# Altium PCB Board.PcbDoc (part 2 of 7)
Units mil, origin at the board's own origin, x right, y up, seen from the top; angles counter-clockwise.
Board outline 7091.76 x 4731.03 mil, 4 copper layers (Top Layer, GND, VCC, Bottom Layer); 297 components, 197 nets, 1031 pads, 468 vias.
Unrouted connection lines stored in the file: 1.
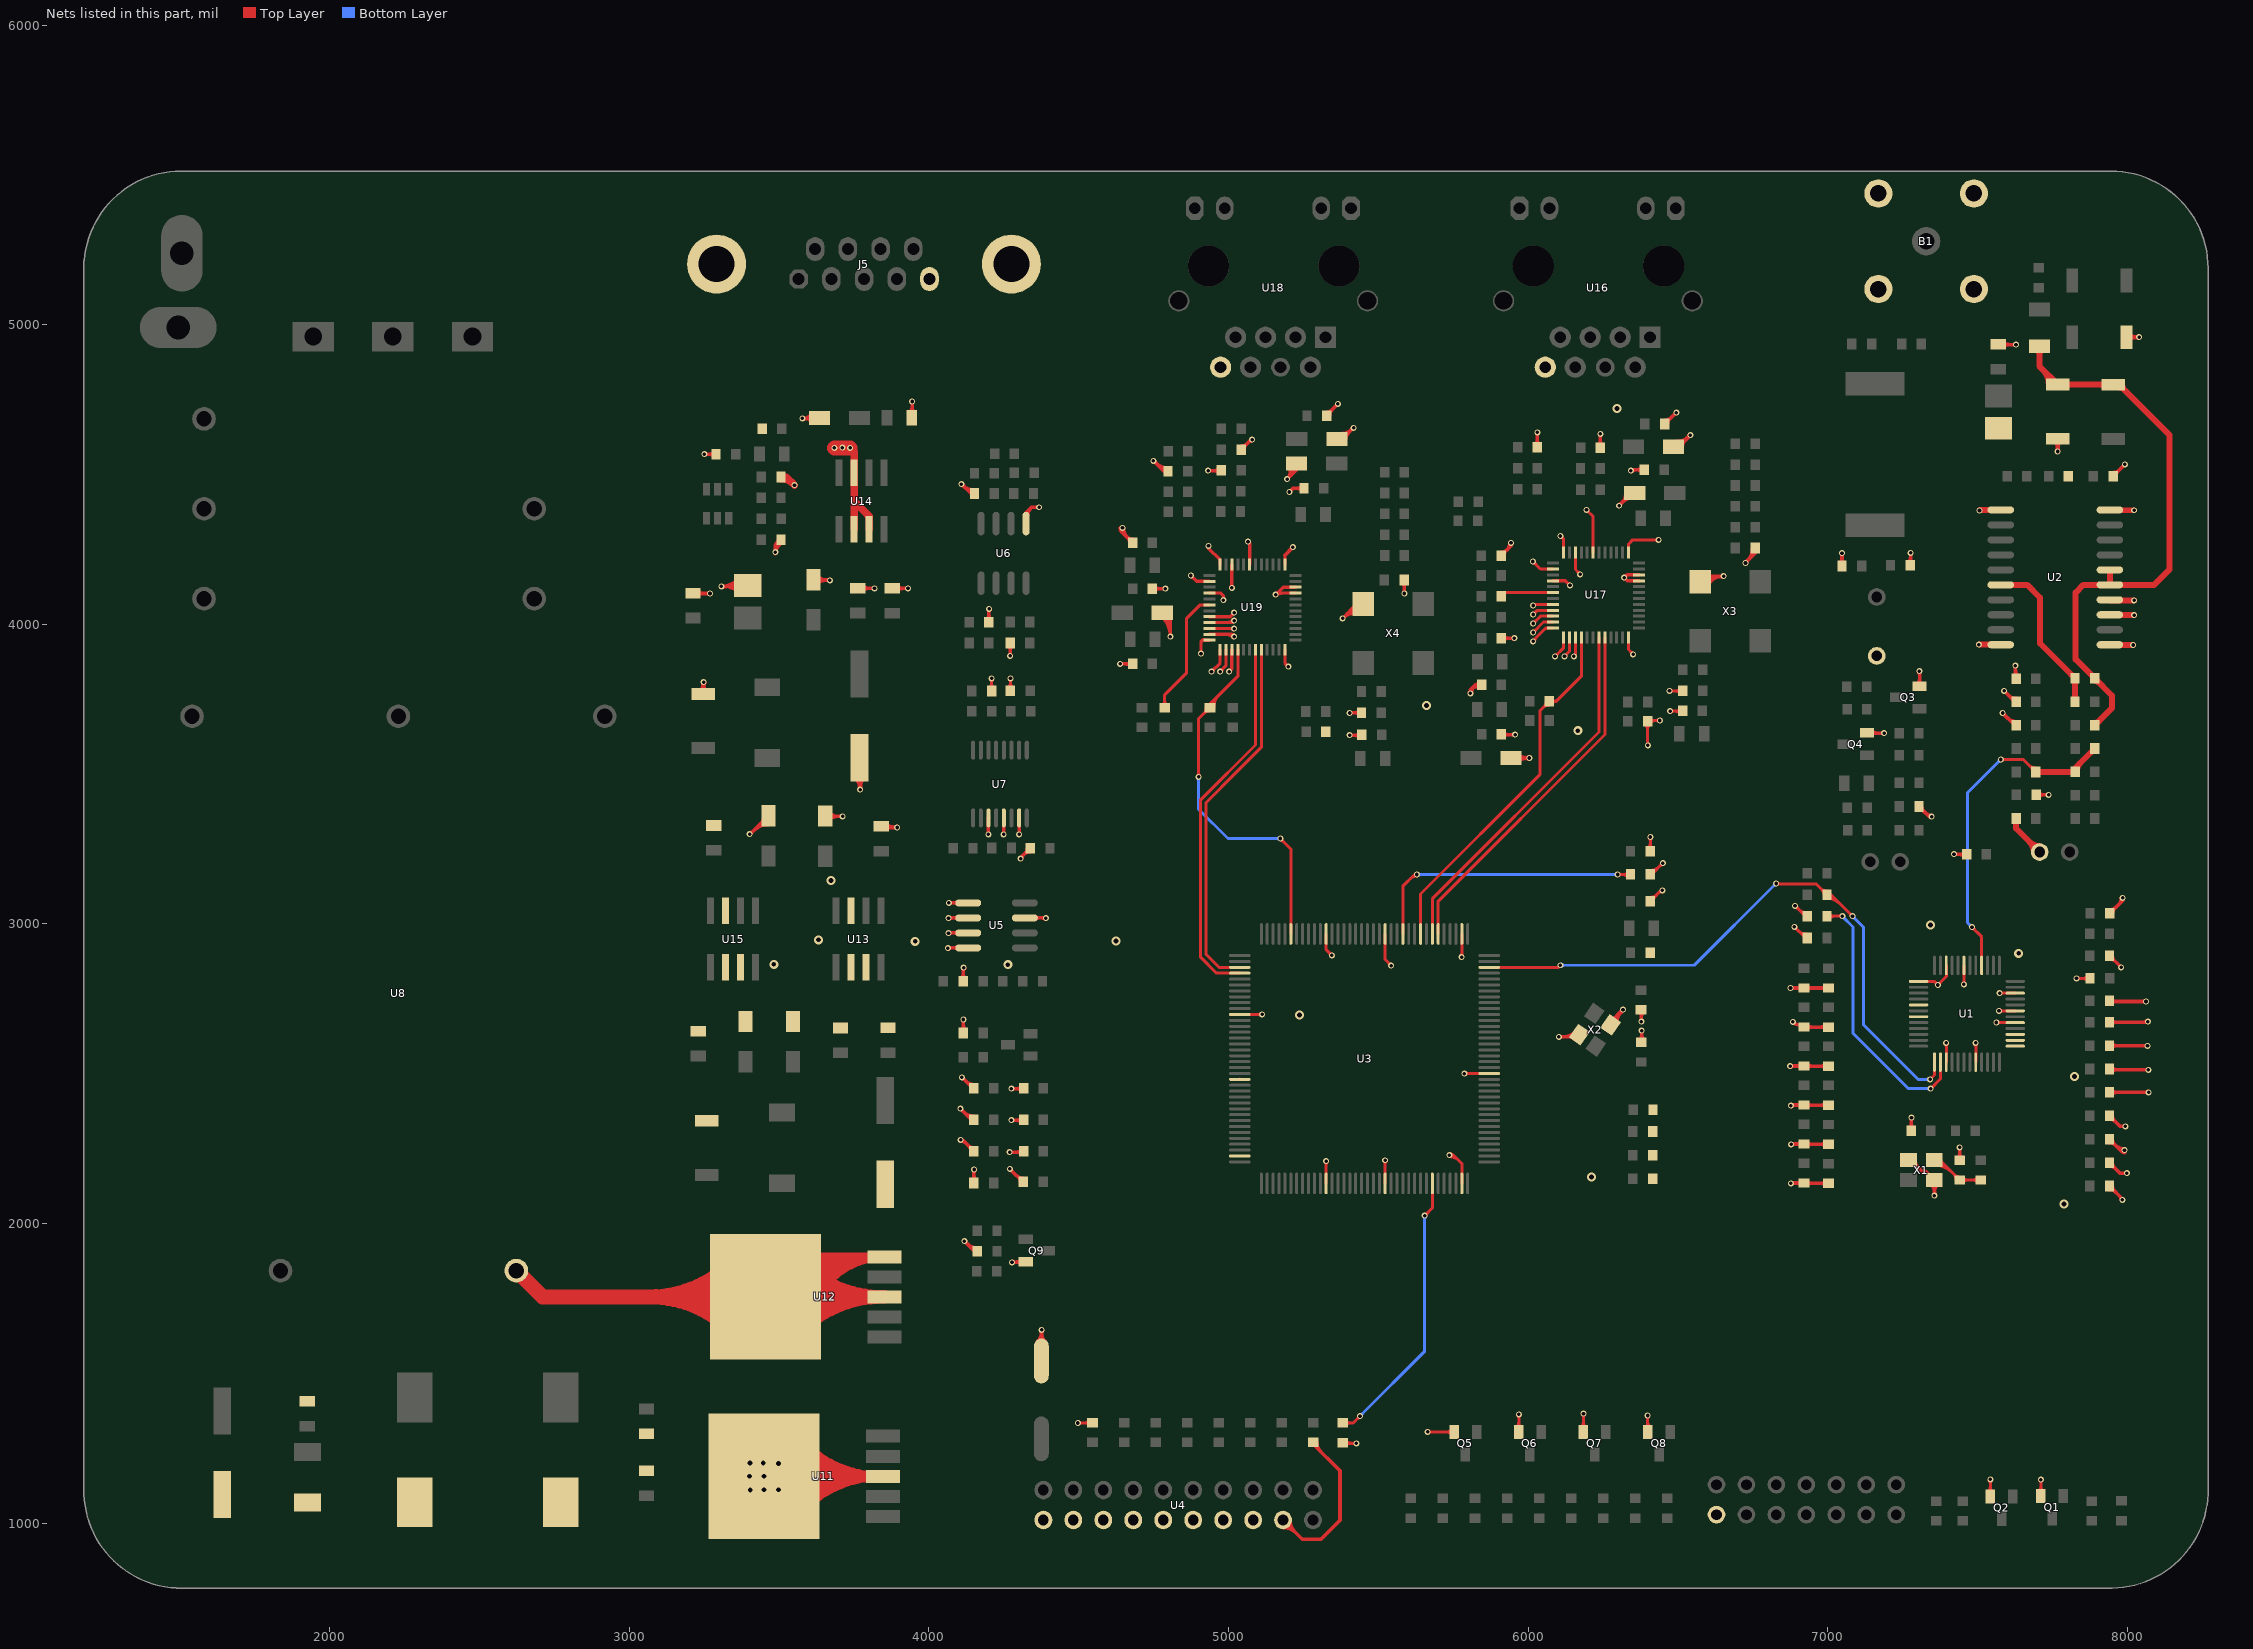
[diagram p4: the nets of this part, all layers, seen from the top]

## Via types
v1: diameter 20, hole 12, Top Layer to Bottom Layer, 399 vias
v2: diameter 30, hole 16, Top Layer to Bottom Layer, 68 vias
v3: diameter 25, hole 15, Top Layer to Bottom Layer, 1 vias

## Nets (pads, with @x,y where several pads share a name; then routed paths per layer and width w, separated by ;. In a path a pad name is that pad's centre, name@x,y a point inside that pad or via, vN(x,y) a via of type N, cw(c..) or ccw(c..) an arc to the next point about the centre after c; other vN are vias at no path point) (continued)
BOOT0: R32.2 U3.138 | length 1060.8
  Top Layer w10: R32.2@5381,1334 5416,1334 v1(5439,1357) ; R32.2@5390.57,1326.4 cw(c5408.92,1308.05) 5408.92,1334 cw(c5408.92,1359.95) R32.2@5390.57,1341.6 ; v1@5434,1357 cw(c5421.93,1357) 5430.46,1348.46 cw(c5439,1339.93) v1@5439,1352 ; v1(5655,2026) 5680.38,2051.38 U3.138@5680.38,2133.66 ; v1@5655,2031 ccw(c5655,2043.07) 5663.54,2034.54 ccw(c5672.07,2026) v1@5660,2026
  Bottom Layer w10: v1(5439,1357) 5655,1573 v1(5655,2026) ; v1@5439,1362 ccw(c5439,1374.07) 5447.54,1365.54 ccw(c5456.07,1357) v1@5444,1357 ; v1@5651.46,2022.46 cw(c5642.93,2013.93) 5655,2013.93 cw(c5667.07,2013.93) v1@5658.54,2022.46
BOOT1: R33.2 U3.48 | length 1059.5
  Top Layer w10: U3.48@5581.95,2966.34 5581.95,3125.95 ; 5582,3126 v1@5622.55,3166.55 ; 5606.81,3150.81 cw(c5629,3128.62) v1@5629,3160 ; v1(6299,3165) 6341,3165 R33.2@6342,3166 ; v1@6302.54,3161.46 cw(c6311.07,3152.93) 6311.07,3165 cw(c6311.07,3177.07) v1@6302.54,3168.54 ; 6313.71,3165 cw(c6313.71,3135.75) R33.2@6334.4,3156.43 ; 6318.39,3165 ccw(c6318.39,3187.64) R33.2@6334.4,3171.63
  Bottom Layer w10: v1@5632.54,3161.46 cw(c5641.07,3152.93) 5641.07,3165 cw(c5641.07,3177.07) v1@5632.54,3168.54 ; v1@5632.55,3161.48 cw(c5641,3153.1) 5641,3165 ; v1@5632.55,3168.52 ccw(c5641,3176.9) 5641,3165 ; v1@6295.46,3161.46 ccw(c6286.93,3152.93) 6286.93,3165 ccw(c6286.93,3177.07) v1@6295.46,3168.54 ; v1(6299,3165) 5641,3165
  other v1: 5629,3165
BWSEL: R3.1 U1.26 | length 992.7
  Top Layer w10: R3.1@6997.85,3025.19 6998.66,3026 v1(7049,3026) ; R3.1@7005.45,3017.59 cw(c7025.76,2997.27) 7025.76,3026 ; R3.1@7005.45,3032.79 ccw(c7021.83,3049.17) 7021.83,3026 ; v1@7045.46,3022.46 ccw(c7036.93,3013.93) 7036.93,3026 ccw(c7036.93,3038.07) v1@7045.46,3029.54 ; v1(7344,2450) 7376.42,2482.42 U1.26@7376.42,2538.58
  Bottom Layer w10: v1@7049,3021 cw(c7049,3008.93) 7057.54,3017.46 cw(c7066.07,3026) v1@7054,3026 ; v1(7049,3026) 7085,2990 7085,2635 7270,2450 v1(7344,2450) ; v1@7340.46,2446.46 ccw(c7331.93,2437.93) 7331.93,2450 ccw(c7331.93,2462.07) v1@7340.46,2453.54
DAC_OUT: C5.2 T2.1 | length 218.8
  Top Layer w20: C5.2@7629,3352 7629,3319 T2.1@7708,3240 ; T2.1@7688.47,3240 ccw(c7641.33,3240) 7674.66,3273.34 ccw(c7708,3306.67) T2.1@7708,3259.53
DUP1: R100.2 U19.30 | length 463.7
  Top Layer w10: R100.2@4779.15,3729.6 ccw(c4760.8,3747.95) 4786.75,3747.95 ccw(c4812.7,3747.95) R100.2@4794.35,3729.6 ; R100.2@4786.75,3722 4786.75,3764.75 4860.31,3838.31 4860.31,4020.18 4905.24,4065.11 U19.30@4936,4065.11
DUP2: R80.2 U17.30 | length 178.2
  Top Layer w10: R80.2@5910,4093.5 5922.61,4106.11 U17.30@6083,4106.11
GND: B1.1 C2.1 C3.2 C6.2 C8.1 C10.2 C11.1 C12.2 C13.1 C16.2 C17.1 C18.1 C19.1 C20.1 C21.1 C22.1 C23.1 C24.1 C25.1 C26.1 C27.1 C28.1 C29.1 C30.1 C31.1 C33.2 C34.1 C35.1 C36.1 C37.1 C38.1 C39.1 C40.1 C41.1 C42.1 C43.1 C44.1 C45.1 C46.1 C47.1 C48.1 C49.1 C50.1 C51.1 C52.1 C53.1 C54.1 C55.1 C56.1 C57.1 C58.2 C59.1 C60.1 C62.2 C64.2 C66.1 C67.1 C68.1 C69.1 C70.1 C71.1 C72.1 C73.1 C74.1 C75.1 C76.2 C77.1 C78.1 C79.2 C80.2 C81.1 C82.1 C83.2 C84.2 C85.1 C86.1 C87.2 C88.2 C89.1 C90.1 C91.2 C92.2 C93.1 C94.1 C95.1 C96.1 C97.2 C98.2 C99.2 C100.2 C101.2 C102.1 C103.1 C104.2 C105.2 C106.1 C107.1 C108.1 C109.1 C110.2 C111.2 C112.2 C113.2 C114.1 C115.1 C116.1 C117.1 C118.1 C119.1 D3.1 D4.1 D5.1 D6.1 D7.1 J5.0 J5.5 J5.10 K1.1 L3.1 Power.2 Q1.1 Q2.1 Q3.1 Q4.1 Q5.1 Q6.1 Q7.1 Q8.1 Q9.1 R3.2 R4.2 R14.1 R15.1 R18.1 R19.1 R26.1 R32.1 R33.1 R40.2 R46.1 R60.1 R63.1 R64.1 R68.1 R70.1 R71.1 R86.1 R91.1 R106.1 U1.7 U1.10 U1.13 U1.17 U1.19 U1.27 U1.32 U1.37 U1.38 U1.39 U1.41 U1.43 U1.46 U2.1 U2.10 U2.11 U2.13 U2.14 U2.20 U3.16 U3.38 U3.51 U3.61 U3.83 U3.94 U3.107 U3.120 U3.130 U3.143 U4.4 U4.6 U4.8 U4.10 U4.12 U4.14 U4.16 U4.18 U4.20 U5.1 U5.2 U5.3 U5.4 U5.7 U6.5 U7.11 U7.13 U7.15 U8.4 U11.3 U11.6 U12.3 U12.5 U12.6 U13.3 U13.6 U13.7 U14.3 U14.6 U14.7 U15.3 U15.6 U15.7 U16.8 U17.9 U17.10 U17.13 U17.19 U17.22 U17.24 U17.26 U17.28 U17.32 U17.33 U17.34 U17.35 U17.36 U17.37 U17.38 U17.39 U17.48 U18.8 U19.9 U19.10 U19.13 U19.19 U19.22 U19.24 U19.26 U19.28 U19.32 U19.33 U19.34 U19.35 U19.36 U19.37 U19.38 U19.39 U19.48 X1.2 X1.4 X2.2 X2.4 X3.2 X4.2 | length 30337.5
  Top Layer w10: v1@4108,4463 cw(c4108,4450.93) 4116.54,4459.46 cw(c4125.07,4468) v1@4113,4468 ; v1(4108,4468) 4139,4437 R40.2@4152,4437 ; v1@4108.1,4467.9 ccw(c4152,4511.8) R40.2@4152,4449.72 ; v1@4109.29,4463.17 cw(c4112.39,4451.63) 4118.36,4461.98 ; v1@4112.83,4469.29 ccw(c4124.61,4472.45) 4118.51,4461.89 ; 4125.17,4450.83 ccw(c4152,4477.66) R40.2@4152,4439.72 ; C64.2@4201.4,3787.01 ccw(c4183.05,3805.36) 4209,3805.36 ccw(c4234.95,3805.36) C64.2@4216.6,3787.01 ; v1@4205.46,3816.46 cw(c4196.93,3807.93) 4209,3807.93 cw(c4221.07,3807.93) v1@4212.54,3816.46 ; C64.2@4209,3777.44 v1(4209,3820) ; C62.2@4264.4,3787.57 ccw(c4246.05,3805.92) 4272,3805.92 ccw(c4297.95,3805.92) C62.2@4279.6,3787.57 ; v1@4268.46,3816.46 cw(c4259.93,3807.93) 4272,3807.93 cw(c4284.07,3807.93) v1@4275.54,3816.46 ; C62.2@4272,3778 v1(4272,3820) ; K1.1@4360.86,1605.14 ccw(c4324.3,1641.7) v1@4376,1641.7 ; K1.1@4367.93,1598.07 ccw(c4348.44,1617.56) 4376,1617.56 ; v1@4371.67,1642.5 cw(c4358.69,1635.01) 4373.17,1631.13 ; v1@4372.46,1641.46 cw(c4363.93,1632.93) 4376,1632.93 cw(c4388.07,1632.93) v1@4379.54,1641.46 ; 4374.24,1635.11 cw(c4383.08,1632.74) v1@4378.5,1640.67 ; K1.1@4375,1541 4376,1542 v1(4376,1645) ; v1@4376,1636.87 ccw(c4420.87,1636.87) K1.1@4389.14,1605.14 ; 4378.41,1627.89 cw(c4397.01,1632.87) v1@4380.33,1642.5 ; v1(4497,1334) 4545,1334 C53.1@4546,1335 ; v1@4500.54,1330.46 cw(c4509.07,1321.93) 4509.07,1334 cw(c4509.07,1346.07) v1@4500.54,1337.54 ; 4515.67,1334 ccw(c4515.67,1363.36) C53.1@4536.43,1342.6 ; 4520.5,1334 cw(c4520.5,1311.47) C53.1@4536.43,1327.4 ; U3.83@5037.66,2697.64 5111.64,2697.64 v1(5112,2698) ; 5099.05,2697.64 ccw(c5099.05,2710.95) v1@5108.46,2701.54 ; 5100.8,2697.64 cw(c5100.8,2686.8) v1@5108.46,2694.46 ; v1@5322.46,2204.46 cw(c5313.81,2195.82) 5326.05,2195.82 ; v1(5326,2208) v1(5326,2208) U3.120@5326.05,2133.66 ; 5326.05,2196.04 cw(c5337.96,2196.04) v1@5329.54,2204.46 ; U3.61@5326.05,2966.34 5326.05,2913.95 v1(5345,2895) ; v1@5340,2895 ccw(c5327.93,2895) 5336.46,2903.54 ccw(c5345,2912.07) v1@5345,2900 ; R32.1@5381,1268 5383,1266 v1(5427,1266) ; R32.1@5390.57,1260.4 cw(c5404.09,1246.88) 5404.09,1266 ; R32.1@5390.57,1275.6 ccw(c5413.74,1298.78) 5413.74,1266 ; v1@5423.46,1262.46 ccw(c5414.93,1253.93) 5414.93,1266 ccw(c5414.93,1278.07) v1@5423.46,1269.54 ; v1@5519.46,2207.46 cw(c5511.18,2199.18) 5522.9,2199.18 ; U3.130@5522.9,2133.66 5522.9,2210.9 v1(5523,2211) ; 5522.9,2198.68 cw(c5535.32,2198.68) v1@5526.54,2207.46 ; U3.51@5522.9,2966.34 5522.9,2881.1 v1(5543,2861) ; v1@5538,2861 ccw(c5525.93,2861) 5534.46,2869.54 ccw(c5543,2878.07) v1@5543,2866 ; v1(5665,1304) Q5.1@5753.2,1304 ; v1@5668.54,1300.46 cw(c5677.07,1291.93) 5677.07,1304 cw(c5677.07,1316.07) v1@5668.54,1307.54 ; v1@5737,2223 cw(c5737,2177.13) 5769.44,2209.56 ; v1(5737,2228) 5751,2228 5778.8,2200.2 U3.143@5778.8,2133.66 ; v1@5737,2233 cw(c5737,2211.27) 5752.36,2226.64 ; v1@5740.54,2224.46 cw(c5749.07,2215.93) 5749.07,2228 cw(c5749.07,2240.07) v1@5740.54,2231.54 ; Q5.1@5745.6,1296.4 ccw(c5727.25,1278.05) 5727.25,1304 ccw(c5727.25,1329.95) Q5.1@5745.6,1311.6 ; v1@5774.46,2892.54 ccw(c5763.99,2903.01) 5778.8,2903.01 ; v1(5778,2889) 5778.8,2889.8 U3.38@5778.8,2966.34 ; 5778.8,2899.13 ccw(c5788.13,2899.13) v1@5781.54,2892.54 ; v1(5787,2500) 5787.79,2500.79 U3.16@5870.34,2500.79 ; v1@5790.54,2496.46 cw(c5800.97,2486.03) 5800.97,2500.79 ; v1@5790.54,2503.54 ccw(c5797.17,2510.17) 5797.17,2500.79 ; Q6.1@5961.26,1319.47 ccw(c5942.59,1338.15) 5969,1338.15 ; v1@5965.46,1359.46 cw(c5956.93,1350.93) 5969,1350.93 cw(c5981.07,1350.93) v1@5972.54,1359.46 ; Q6.1@5968.86,1304 5969,1304.14 v1(5969,1363) ; 5969,1337.49 ccw(c5994.48,1337.49) Q6.1@5976.46,1319.47 ; v1(6017,3943) 6017,3946 6059,3988 U17.36@6083,3988 ; v1(6017,3973) 6051.69,4007.69 U17.35@6083,4007.69 ; v1@6017,3978 ccw(c6017,3990.07) 6025.54,3981.54 ccw(c6034.07,3973) v1@6022,3973 ; v1(6017,4003) 6041.37,4027.37 U17.34@6083,4027.37 ; v1@6017,4008 ccw(c6017,4020.07) 6025.54,4011.54 ccw(c6034.07,4003) v1@6022,4003 ; v1(6017,4033) 6031.06,4047.06 U17.33@6083,4047.06 ; v1@6017,4038 ccw(c6017,4050.07) 6025.54,4041.54 ccw(c6034.07,4033) v1@6022,4033 ; v1(6017,4063) 6020.74,4066.74 U17.32@6083,4066.74 ; v1@6022,3943 cw(c6041.31,3943) 6027.66,3956.66 ; 6052.64,3981.64 cw(c6068,3966.27) U17.36@6068,3988 ; v1(6090,3893) 6118.73,3921.73 U17.37@6118.73,3956.27 ; v1@6090,3898 ccw(c6090,3910.07) 6098.54,3901.54 ccw(c6107.07,3893) v1@6095,3893 ; v1@6108,4290 cw(c6108,4277.93) 6116.54,4286.46 cw(c6125.07,4295) v1@6113,4295 ; v1(6108,4295) 6118.73,4284.27 U17.24@6118.73,4240.27 ; v1(6121.5,3893) 6138.42,3909.92 U17.38@6138.42,3956.27 ; v1@6121.5,3898 ccw(c6121.5,3910.07) 6130.04,3901.54 ccw(c6138.57,3893) v1@6126.5,3893 ; v1(6153,3893) 6158.1,3898.1 U17.39@6158.1,3956.27 ; U17.22@6158.1,4240.27 6158.1,4182.9 v1(6174,4167) ; v1@6169,4167 ccw(c6156.93,4167) 6165.46,4175.54 ccw(c6174,4184.07) v1@6174,4172 ; Q7.1@6176.93,1319.47 ccw(c6157.45,1338.96) 6185,1338.96 ; v1@6181.46,1361.46 cw(c6172.93,1352.93) 6185,1352.93 cw(c6197.07,1352.93) v1@6188.54,1361.46 ; Q7.1@6184.53,1304 6185,1304.47 v1(6185,1365) ; 6185,1336.69 ccw(c6209.34,1336.69) Q7.1@6192.13,1319.47 ; v1@6195,4377 cw(c6195,4364.93) 6203.54,4373.46 cw(c6212.07,4382) v1@6200,4382 ; v1(6195,4382) 6217.16,4359.84 U17.19@6217.16,4240.27 ; U17.48@6335.27,3956.27 6335.27,3915.73 v1(6351,3900) ; v1@6346,3900 ccw(c6333.93,3900) 6342.46,3908.54 ccw(c6351,3917.07) v1@6351,3905 ; R71.1@6391.4,3666.43 cw(c6373.05,3648.08) 6399,3648.08 cw(c6424.95,3648.08) R71.1@6406.6,3666.43 ; Q8.1@6392.6,1319.47 ccw(c6377.14,1334.93) 6399,1334.93 ; v1@6395.46,1355.46 cw(c6386.93,1346.93) 6399,1346.93 cw(c6411.07,1346.93) v1@6402.54,1355.46 ; 6399,1340.71 ccw(c6429.03,1340.71) Q8.1@6407.8,1319.47 ; v1(6399,1359) 6399,1305.2 Q8.1@6400.2,1304 ; 6399,3610.49 ccw(c6414.49,3610.49) v1@6403.54,3599.54 ; v1(6400,3596) 6399,3597 R71.1@6399,3676 6402,3679 v1(6440,3679) ; C119.1@6400.4,3252.57 ccw(c6382.05,3270.92) 6408,3270.92 ccw(c6433.95,3270.92) C119.1@6415.6,3252.57 ; v1@6404.46,3286.46 cw(c6395.93,3277.93) 6408,3277.93 cw(c6420.07,3277.93) v1@6411.54,3286.46 ; R71.1@6406.6,3670.37 cw(c6427.44,3649.53) 6427.44,3679 ; R71.1@6406.6,3685.57 ccw(c6422.46,3701.43) 6422.46,3679 ; C55.1@6408,3076.05 6443.95,3112 v1(6448,3112) ; C55.1@6408,3088.76 ccw(c6408,3119.46) 6429.71,3097.76 ; R33.1@6408,3166 6413,3166 v1(6450,3203) ; R33.1@6408,3178.72 ccw(c6408,3221.49) 6438.24,3191.24 ; C119.1@6408,3243 v1(6408,3290) ; C55.1@6418.75,3078.02 cw(c6439.94,3078.02) 6424.96,3093 ; 6432.56,3100.6 cw(c6448,3085.16) v1@6448,3107 ; v1@6436.46,3675.46 ccw(c6427.93,3666.93) 6427.93,3679 ccw(c6427.93,3691.07) v1@6436.46,3682.54 ; v1@6445,3203 cw(c6432.93,3203) 6441.46,3194.46 cw(c6450,3185.93) v1@6450,3198 ; v1(6472,3778) 6516,3778 C99.2@6517,3779 ; v1(6474,3710) 6514,3710 C98.2@6516,3712 ; v1@6475.54,3774.46 cw(c6484.07,3765.93) 6484.07,3778 cw(c6484.07,3790.07) v1@6475.54,3781.54 ; v1@6477.54,3706.46 cw(c6486.07,3697.93) 6486.07,3710 cw(c6486.07,3722.07) v1@6477.54,3713.54 ; 6488.71,3778 cw(c6488.71,3748.75) C99.2@6509.4,3769.43 ; 6489.98,3710 ccw(c6489.98,3736.06) C98.2@6508.4,3717.63 ; 6490.13,3710 cw(c6490.13,3684.16) C98.2@6508.4,3702.43 ; 6493.39,3778 ccw(c6493.39,3800.64) C99.2@6509.4,3784.63 ; X3.2@6575,4142 6594,4161 v1(6653,4161) ccw(c6653,4101.83) X3.2@6601.49,4130.96 ; X3.2@6584.08,4140.8 cw(c6618.71,4121.22) 6618.71,4161 ; X3.2@6592.79,4135.88 cw(c6635.85,4111.52) 6635.85,4161 ; X3.2@6596.52,4167.46 ccw(c6612.11,4183.04) 6612.11,4161 ; v1@6648.67,4163.5 cw(c6638.22,4169.53) 6641.34,4157.88 cw(c6644.46,4146.21) v1@6650.5,4156.67 ; v1@6649.46,4157.46 ccw(c6640.93,4148.93) 6640.93,4161 ccw(c6640.93,4173.07) v1@6649.46,4164.54 ; v1@6889,2985 cw(c6889,2972.93) 6897.54,2981.46 cw(c6906.07,2990) v1@6894,2990 ; v1(6889,2990) 6926,2953 R4.2@6931.85,2953 ; v1@6891,3055 cw(c6891,3042.93) 6899.54,3051.46 cw(c6908.07,3060) v1@6896,3060 ; v1(6891,3060) 6925.81,3025.19 R3.2@6931.85,3025.19 ; v1@6895.83,3061.29 ccw(c6918.16,3067.28) 6906.6,3047.26 ; v1@6896,3059.9 ccw(c6906.91,3059.68) 6901.45,3050.23 ; 6899.84,3051.16 ccw(c6931.85,3083.18) R3.2@6931.85,3037.9 ; 6900.15,2978.85 ccw(c6931.85,3010.54) R4.2@6931.85,2965.72 ; R3.2@6916.91,3034.09 ccw(c6931.85,3049.03) R3.2@6931.85,3027.9 ; R4.2@6917.23,2961.77 ccw(c6931.85,2976.4) R4.2@6931.85,2955.72 ; Q4.1@7132,3637.8 Q4.1@7132.8,3637 ; U1.13@7303.58,2808.27 7355.73,2808.27 v1(7368,2796) 7396.1,2824.1 U1.10@7396.1,2861.42 ; v1@7363,2796 ccw(c7350.93,2796) 7359.46,2804.54 ccw(c7368,2813.07) 7368,2801 ccw(c7368,2813.07) 7376.54,2804.54 ccw(c7385.07,2796) v1@7373,2796 ; v1@7392.46,2599.46 cw(c7383.68,2590.68) 7396.1,2590.68 ; v1(7396,2603) 7396.1,2602.9 U1.27@7396.1,2538.58 ; 7396.1,2591.18 cw(c7407.82,2591.18) v1@7399.54,2599.46 ; v1@7451.46,2801.54 ccw(c7442.93,2810.07) 7455,2810.07 ccw(c7467.07,2810.07) v1@7458.54,2801.54 ; v1(7455,2798) 7455,2861.26 U1.7@7455.16,2861.42 ; v1@7490.46,2599.46 cw(c7480.66,2589.66) 7494.53,2589.66 ; v1(7494,2603) 7494.53,2602.47 U1.32@7494.53,2538.58 ; 7494.53,2592.2 cw(c7504.8,2592.2) v1@7497.54,2599.46 ; Q2.1@7535.6,1104.47 ccw(c7517.72,1122.35) 7543,1122.35 ; v1@7539.46,1142.46 cw(c7530.93,1133.93) 7543,1133.93 cw(c7555.07,1133.93) v1@7546.54,1142.46 ; 7543,1123.3 ccw(c7569.62,1123.3) Q2.1@7550.8,1104.47 ; v1(7543,1146) 7543,1089.2 Q2.1@7543.2,1089 ; v1(7563,2671) 7563.53,2670.47 U1.41@7626.42,2670.47 ; v1@7566.54,2667.46 cw(c7573.8,2660.2) 7573.8,2670.47 ; v1@7566.54,2674.54 ccw(c7576.34,2684.34) 7576.34,2670.47 ; v1(7572,2710) 7572.16,2709.84 U1.43@7626.42,2709.84 ; v1(7574,2769) 7574.1,2768.9 U1.46@7626.42,2768.9 ; v1@7575.54,2706.46 cw(c7583.69,2698.31) 7583.69,2709.84 ; v1@7575.54,2713.54 ccw(c7584.45,2722.45) 7584.45,2709.84 ; v1@7577.54,2765.46 cw(c7585.82,2757.18) 7585.82,2768.9 ; v1@7577.54,2772.54 ccw(c7586.32,2781.32) 7586.32,2768.9 ; C8.1@7695,3429.93 C8.1@7696.07,3431 ; Q1.1@7704.6,1105.47 ccw(c7686.72,1123.35) 7712,1123.35 ; v1@7708.46,1141.46 cw(c7699.93,1132.93) 7712,1132.93 cw(c7724.07,1132.93) v1@7715.54,1141.46 ; 7712,1124.3 ccw(c7738.62,1124.3) Q1.1@7719.8,1105.47 ; v1(7712,1145) 7712,1090.2 Q1.1@7712.2,1090 ; v1(7831,2818) R14.1@7876,2818 ; v1@7834.54,2814.46 cw(c7843.07,2805.93) 7843.07,2818 cw(c7843.07,2830.07) v1@7834.54,2821.54 ; R14.1@7868.4,2810.4 ccw(c7850.05,2792.05) 7850.05,2818 ccw(c7850.05,2843.95) R14.1@7868.4,2825.6 ; C11.1@7941,2881.28 cw(c7941,2850.58) 7962.71,2872.29 ; C11.1@7941,2894 v1(7980,2855) ; C11.1@7951.75,2892.03 ccw(c7972.94,2892.03) 7957.96,2877.04 ; v1@7975,2855 ccw(c7962.93,2855) 7971.46,2863.54 ccw(c7980,2872.07) v1@7980,2860
  Top Layer w11: v1@4749,4541.5 cw(c4749,4530.64) 4756.68,4538.32 cw(c4764.36,4546) v1@4753.5,4546 ; v1(4749,4546) 4783.77,4511.23 C105.2@4798,4511.23 ; v1@4752.86,4542.14 ccw(c4798,4587.28) C105.2@4798,4523.44 ; v1@4753.35,4547.16 ccw(c4768.5,4551.23) 4760.66,4537.64 ; 4771.64,4523.36 ccw(c4798,4549.72) C105.2@4798,4512.44 ; v1@4874,4158.5 cw(c4874,4147.64) 4881.68,4155.32 cw(c4889.36,4163) v1@4878.5,4163 ; v1(4874,4163) 4893.14,4143.86 U19.26@4936,4143.86 ; v1@4904.82,3905.18 ccw(c4897.14,3912.86) 4908,3912.86 ccw(c4918.86,3912.86) v1@4911.18,3905.18 ; v1(4908,3902) 4908,3942 4913,3947 ; 4908.2,3942.2 cw(c4921,3929.39) U19.36@4921,3947.5 ; U19.36@4921.32,3947.38 ccw(c4917.37,3942.63) 4913,3947 ; v1(4933,4262) 4933,4254 4971.73,4215.27 U19.24@4971.73,4199.27 ; U19.36@4936,3947 4913,3947 ; U19.35@4936,3966.69 5011.31,3966.69 ; U19.34@4936,3986.37 5018.29,3986.37 v1(5019,3985.67) ; U19.33@4936,4006.06 5012.72,4006.06 v1(5019,4012.33) ; U19.32@4936,4025.74 5005.74,4025.74 v1(5019,4039) ; U19.28@4936,4104.49 4974.51,4104.49 4983,4096 v1(4983,4081) ; v1(4943,3842) 4971.73,3870.73 U19.37@4971.73,3915.27 ; v1@4943,3846.5 ccw(c4943,3857.36) 4950.68,3849.68 ccw(c4958.36,3842) v1@4947.5,3842 ; v1(4972,3842) 4991.42,3861.42 U19.38@4991.42,3915.27 ; v1@4972,3846.5 ccw(c4972,3857.36) 4979.68,3849.68 ccw(c4987.36,3842) v1@4976.5,3842 ; 4989.58,3966.69 cw(c4989.58,3929.58) v1@5015.82,3955.82 ; 4992.98,4006.06 ccw(c4992.98,4038.35) v1@5015.82,4015.52 ; v1(5002,3842) 5011.1,3851.1 U19.39@5011.1,3915.27 ; v1@5002,3846.5 ccw(c5002,3857.36) 5009.68,3849.68 ccw(c5017.36,3842) v1@5006.5,3842 ; 5006.43,3986.37 cw(c5006.43,3973.1) v1@5015.82,3982.48 ; v1@5007.82,4125.18 ccw(c4999.89,4133.11) 5011.1,4133.11 ; v1@5011.1,4122.1 U19.22@5011.1,4199.27 ; 5011.1,4132.62 ccw(c5021.62,4132.62) v1@5014.18,4125.18 ; v1@5014.5,3959 ccw(c5003.64,3959) 5011.32,3966.68 ; v1@5014.5,4039 cw(c5003.64,4039) 5011.32,4031.32 cw(c5019,4023.64) v1@5019,4034.5 ; v1(5019,3959) 5011.31,3966.69 ; v1@5019,3963.5 cw(c5019,3974.36) 5011.32,3966.68 ; v1(5157,4099) v1@5162.49,4104.49 ; v1@5157,4103.5 ccw(c5157,4114.36) 5164.68,4106.68 ccw(c5172.36,4099) v1@5161.5,4099 ; v1@5160.18,4095.82 cw(c5181.11,4074.89) 5181.11,4104.49 ; U19.48@5188.27,3915.27 5188.27,3870.73 v1(5200,3859) ; U19.13@5188.27,4199.27 5188.27,4231.27 ; v1@5195.5,3859 ccw(c5184.64,3859) 5192.32,3866.68 ccw(c5200,3874.36) v1@5200,3863.5 ; U19.9@5224,4104.49 v1@5162.49,4104.49 ; U19.10@5224,4124.17 5182.17,4124.17 v1@5162.49,4104.49 ; C111.2@5444,3630 C111.2@5445,3631 ; R106.1@5578.75,4138.79 cw(c5558.84,4118.88) 5587,4118.88 ; v1@5583.82,4106.18 ccw(c5576.14,4113.86) 5587,4113.86 ccw(c5597.86,4113.86) v1@5590.18,4106.18 ; R106.1@5586,4148 5587,4147 v1(5587,4103) ; 5587,4123.7 cw(c5608.33,4123.7) R106.1@5593.25,4138.79 ; v1@5803.82,3773.18 ccw(c5796.14,3780.86) 5807,3780.86 ccw(c5817.86,3780.86) v1@5810.18,3773.18 ; v1(5807,3770) 5807,3782 ; v1@5811.5,3770 cw(c5851.33,3770) 5823.17,3798.17 ; 5818.01,3793.01 cw(c5834.99,3776.03) C97.2@5845.32,3797.71 ; C97.2@5836.92,3792.69 ccw(c5824,3782.61) 5824,3799 ; C97.2@5836.92,3805.31 cw(c5824,3815.39) 5824,3799 ; C97.2@5840.59,3787.78 ccw(c5827.89,3761.12) 5807,3782 ; C97.2@5845,3799 5824,3799 ; C95.1@5911,3633 5912,3632 v1(5957,3632) ; C100.2@5911.15,3954 v1(5954,3954) ; C95.1@5918.25,3623.79 cw(c5938.08,3603.95) 5938.08,3632 ; C95.1@5918.25,3638.28 ccw(c5933.4,3653.43) 5933.4,3632 ; C100.2@5918.4,3946.75 cw(c5935.89,3929.26) 5935.89,3954 cw(c5935.89,3978.74) C100.2@5918.4,3961.25 ; C93.1@5942.92,3554 v1(6004,3554) ; v1@5950.82,3950.82 ccw(c5943.14,3943.14) 5943.14,3954 ccw(c5943.14,3964.86) v1@5950.82,3957.18 ; v1@5953.82,3628.82 ccw(c5946.14,3621.14) 5946.14,3632 ccw(c5946.14,3642.86) v1@5953.82,3635.18 ; C93.1@5967.55,3541.19 cw(c5998.48,3510.25) 5998.48,3554 cw(c5998.48,3597.75) C93.1@5967.55,3566.81 ; 5989.81,3551.68 cw(c5993.88,3536.47) v1@6001.75,3550.1 ; 5989.81,3556.32 ccw(c5993.88,3571.53) v1@6001.75,3557.9 ; v1@6000.82,3550.82 ccw(c5993.14,3543.14) 5993.14,3554 ccw(c5993.14,3564.86) v1@6000.82,3557.18 ; v1@6016,4205.5 cw(c6016,4194.64) 6023.68,4202.32 cw(c6031.36,4210) v1@6020.5,4210 ; v1(6016,4210) 6041.14,4184.86 U17.26@6083,4184.86 ; U17.28@6083,4145.49 6124.51,4145.49 v1(6140,4130) ; v1@6135.5,4130 ccw(c6124.64,4130) 6132.32,4137.68 ccw(c6140,4145.36) v1@6140,4134.5 ; v1@6321,4151.5 cw(c6321,4140.64) 6328.68,4148.32 cw(c6336.36,4156) 6325.5,4156 cw(c6336.36,4156) 6328.68,4163.68 cw(c6321,4171.36) v1@6321,4160.5 ; U17.13@6335.27,4240.27 6335.27,4268.27 6349,4282 v1(6436,4282) ; U17.9@6371,4145.49 6331.51,4145.49 v1(6321,4156) 6330.17,4165.17 U17.10@6371,4165.17 ; v1@6432.82,4278.82 ccw(c6425.14,4271.14) 6425.14,4282 ccw(c6425.14,4292.86) v1@6432.82,4285.18 ; v1@6724.84,4209.35 ccw(c6721,4223.67) 6733.84,4216.25 ; v1(6726,4205) 6758,4237 ; v1@6726,4209.5 ccw(c6726,4220.36) 6733.68,4212.68 ccw(c6741.36,4205) v1@6730.5,4205 ; v1@6729.17,4208.17 ccw(c6684.31,4253.03) R86.1@6747.75,4253.03 ; 6747.95,4226.95 ccw(c6721.86,4253.03) R86.1@6758.75,4253.03 ; R86.1@6753.7,4243.73 cw(c6750.59,4237) 6758,4237 ; R86.1@6758,4255 6758,4237 ; R86.1@6762.3,4243.73 ccw(c6765.41,4237) 6758,4237 ; 5807,3782 5824,3799